# Altium PCB Kasli-DIOT.PCBDOC (part 14 of 21)
Units mm, origin at the board's own origin, x right, y up, seen from the top; angles counter-clockwise.
Board outline 222.34 x 100 mm, 10 copper layers (TopLayer, Layer 2, Layer 3, Layer 4, Layer 5, Layer 6, Layer 7, layer 8, Layer 9, BottomLayer), stack 1.564 mm thick; 974 components, 908 nets, 4662 pads, 2649 vias.
Unrouted connection lines stored in the file: 17.
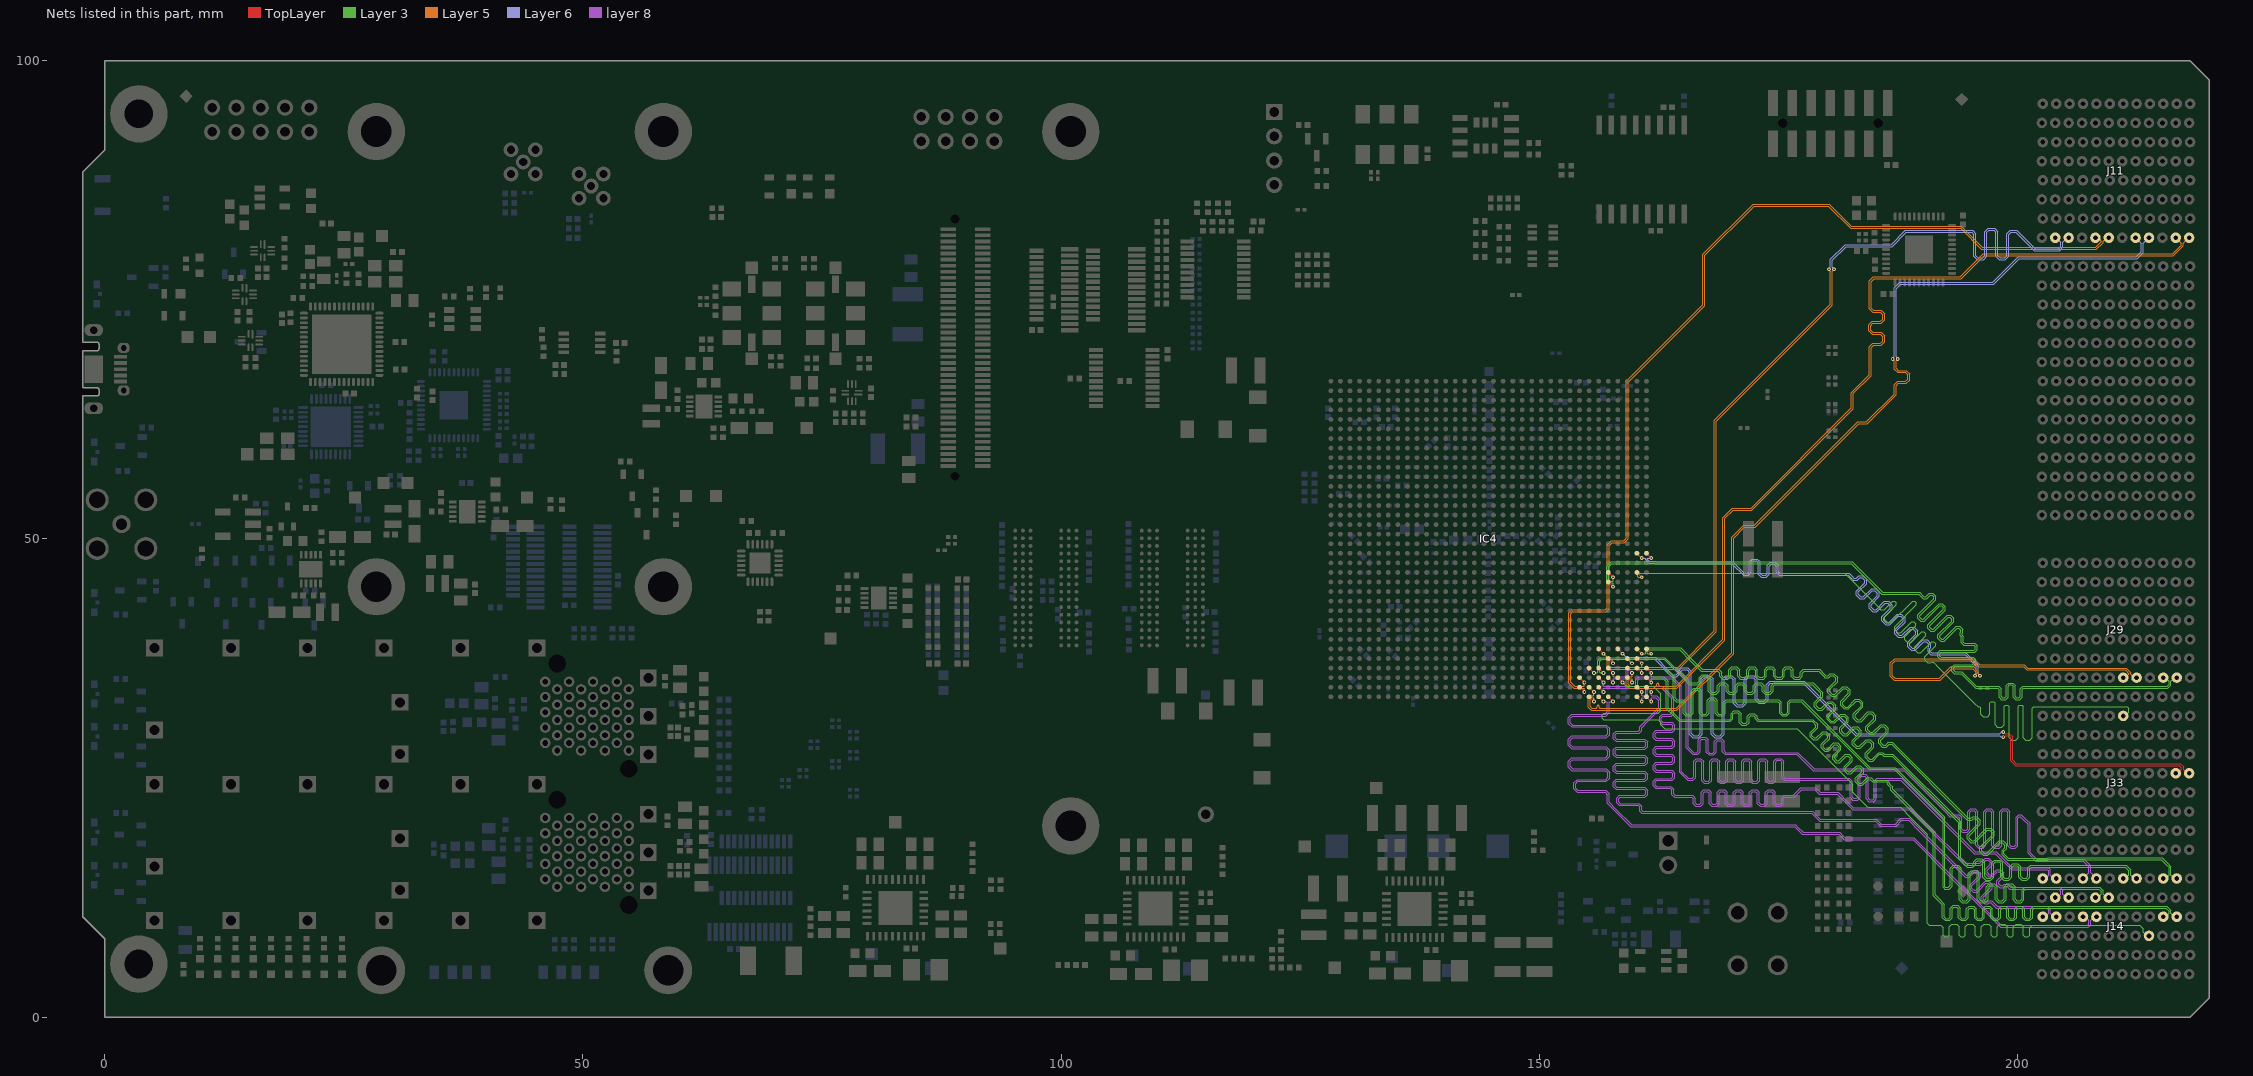
[diagram p22: the nets of this part, all layers, seen from the top]

## Via types
v1: diameter 0.4, hole 0.2, TopLayer to BottomLayer, tented both sides, 1661 vias
v2: diameter 0.5, hole 0.2, TopLayer to BottomLayer, tented both sides, 516 vias
v3: diameter 0.6, hole 0.3, TopLayer to BottomLayer, tented both sides, 175 vias
v4: diameter 0.6, hole 0.3, TopLayer to BottomLayer, 113 vias
v5: diameter 0.5, hole 0.2, TopLayer to BottomLayer, 110 vias
v6: diameter 0.4, hole 0.2, TopLayer to BottomLayer, 67 vias
v7: diameter 0.8, hole 0.5, TopLayer to BottomLayer, tented both sides, 7 vias

## Nets (pads, with @x,y where several pads share a name; then routed paths per layer and width w, separated by ;. In a path a pad name is that pad's centre, name@x,y a point inside that pad or via, vN(x,y) a via of type N, cw(c..) or ccw(c..) an arc to the next point about the centre after c; other vN are vias at no path point) (continued)
SLOT1.LVDS_1_P: IC4.AM31 J14.D3 | length 99.1
  TopLayer w0.095: IC4.AM31@158.2,35.5 v1(158.7,35)
  Layer 3 w0.075: v1(158.7,35) 159.08,34.62 161.899,34.62 162.685,33.835 162.685,33.079 162.685,32.03 162.408,31.752 156.725,31.752 156.565,31.593 156.565,31.274 156.725,31.115 162.408,31.115 162.685,30.838 162.685,30.657 162.685,30.568 163.118,30.135 176.968,30.135 182.754,24.349 182.754,23.5 184.31,21.944 187.777,21.944 188.854,20.867 190.576,19.145 190.576,9.802 190.776,9.602 190.984,9.602 191.942,9.602 192.219,9.324 192.219,8.576 192.379,8.416 192.697,8.416 192.856,8.576 192.856,9.464 193.134,9.741 193.62,9.741 193.897,9.464 193.897,8.576 194.057,8.416 194.375,8.416 194.534,8.576 194.534,9.464 194.812,9.741 195.298,9.741 195.575,9.464 195.575,8.576 195.735,8.416 196.053,8.416 196.212,8.576 196.212,9.464 196.49,9.741 196.976,9.741 197.253,9.464 197.253,8.576 197.413,8.416 197.731,8.416 197.89,8.576 197.89,9.464 198.168,9.741 198.654,9.741 198.931,9.464 198.931,8.576 199.091,8.416 199.409,8.416 199.568,8.576 199.568,9.464 199.846,9.741 200.332,9.741 200.609,9.464 200.609,8.576 200.769,8.416 201.087,8.416 201.246,8.576 201.246,9.324 201.524,9.602 201.704,9.602 212.789,9.602 213.14,9.251 213.14,8.861 213.501,8.5 J14.D3@213.739,8.5
SLOT1.LVDS_2_N: IC4.AM34 J14.C4 | length 98.6
  TopLayer w0.095: IC4.AM34@161.2,35.5 v1(161.7,35)
  Layer 3 w0.075: v1(161.7,35) 161.7,35.355 161.744,35.399 162.399,35.399 162.4,35.398 162.941,35.398 163.284,35.056 163.284,32.257 163.343,32.197 163.883,31.657 164.622,30.918 169.786,30.918 169.966,30.918 170.244,31.196 170.244,31.667 170.403,31.826 170.722,31.826 170.881,31.667 170.881,30.788 171.159,30.51 171.644,30.51 171.922,30.788 171.922,31.365 172.081,31.524 172.4,31.524 172.559,31.365 172.559,31.196 172.837,30.918 173.425,30.918 177.866,30.918 178.511,30.918 178.885,30.544 178.885,30.319 178.296,29.73 178.296,29.338 178.64,28.994 179.032,28.994 179.696,29.657 179.921,29.657 180.146,29.432 180.146,29.207 179.483,28.544 179.483,28.151 179.826,27.807 180.219,27.807 180.882,28.471 181.107,28.471 181.333,28.246 181.333,28.021 180.669,27.357 180.669,26.964 181.013,26.621 181.405,26.621 182.069,27.284 182.294,27.284 182.519,27.059 182.519,26.834 181.856,26.17 181.856,25.778 182.199,25.434 182.592,25.434 183.255,26.098 183.48,26.098 183.706,25.873 183.706,25.647 183.042,24.984 183.042,24.591 183.386,24.248 183.778,24.248 184.367,24.836 184.592,24.836 184.66,24.768 184.837,24.591 186.244,24.591 186.435,24.4 186.435,24.288 186.719,24.004 186.719,23.735 191.187,19.268 191.187,12.702 191.765,12.123 192.139,11.749 192.139,10.391 192.416,10.113 192.902,10.113 193.18,10.391 193.18,11.331 193.339,11.49 193.658,11.49 193.817,11.331 193.817,10.391 194.094,10.113 194.58,10.113 194.858,10.391 194.858,11.241 195.017,11.401 195.336,11.401 195.495,11.241 195.495,10.391 195.772,10.113 196.258,10.113 196.536,10.391 196.536,11.241 196.695,11.4 197.014,11.4 197.173,11.241 197.173,10.391 197.45,10.113 197.936,10.113 198.214,10.391 198.214,11.241 198.373,11.4 198.692,11.4 198.851,11.241 198.851,10.391 199.128,10.113 199.614,10.113 199.892,10.391 199.892,11.241 200.051,11.4 200.37,11.4 200.529,11.241 200.529,10.391 200.806,10.113 201.292,10.113 201.57,10.391 201.57,11.241 201.729,11.4 201.826,11.4 215.517,11.4 215.838,11.079 215.838,10.861 215.477,10.5 J14.C4@215.239,10.5
SLOT1.LVDS_2_P: IC4.AL34 J14.B4 | length 99
  TopLayer w0.095: IC4.AL34@161.2,36.5 v1(161.7,36)
  Layer 3 w0.075: v1(161.7,36) 161.7,35.645 161.744,35.601 162.482,35.601 162.483,35.6 163.025,35.6 163.486,35.139 163.486,32.34 164.706,31.12 169.786,31.12 169.883,31.12 170.042,31.279 170.042,31.75 170.32,32.028 170.805,32.028 171.083,31.75 171.083,30.872 171.242,30.712 171.561,30.712 171.72,30.872 171.72,31.448 171.998,31.726 172.483,31.726 172.761,31.448 172.761,31.279 172.92,31.12 173.425,31.12 178.068,31.12 178.594,31.12 179.087,30.628 179.087,30.235 178.498,29.646 178.498,29.421 178.723,29.196 178.949,29.196 179.612,29.859 180.005,29.859 180.348,29.516 180.348,29.123 179.685,28.46 179.685,28.235 179.91,28.009 180.135,28.009 180.799,28.673 181.191,28.673 181.535,28.329 181.535,27.937 180.871,27.273 180.871,27.048 181.096,26.823 181.322,26.823 181.985,27.486 182.378,27.486 182.721,27.143 182.721,26.75 182.058,26.087 182.058,25.862 182.283,25.636 182.508,25.636 183.172,26.3 183.564,26.3 183.908,25.956 183.908,25.564 183.244,24.9 183.244,24.675 183.469,24.45 183.695,24.45 184.283,25.038 184.676,25.038 184.803,24.911 184.921,24.793 186.328,24.793 186.637,24.484 186.637,24.372 186.921,24.088 186.921,23.819 191.389,19.351 191.389,12.785 191.765,12.409 192.341,11.833 192.341,10.474 192.5,10.315 192.819,10.315 192.978,10.474 192.978,11.414 193.255,11.692 193.741,11.692 194.019,11.414 194.019,10.474 194.178,10.315 194.497,10.315 194.656,10.474 194.656,11.325 194.933,11.603 195.419,11.603 195.697,11.325 195.697,10.474 195.856,10.315 196.175,10.315 196.334,10.474 196.334,11.324 196.611,11.602 197.097,11.602 197.375,11.324 197.375,10.474 197.534,10.315 197.853,10.315 198.012,10.474 198.012,11.324 198.289,11.602 198.775,11.602 199.053,11.324 199.053,10.474 199.212,10.315 199.531,10.315 199.69,10.474 199.69,11.324 199.967,11.602 200.453,11.602 200.731,11.324 200.731,10.474 200.89,10.315 201.209,10.315 201.368,10.474 201.368,11.324 201.645,11.602 201.826,11.602 215.601,11.602 216.04,11.163 216.04,10.861 216.401,10.5 J14.B4@216.639,10.5
SLOT1.LVDS_3_N: IC4.AP30 J14.I4 | length 97.3
  TopLayer w0.095: IC4.AP30@157.2,33.5 v1(157.7,33)
  layer 8 w0.075: v1(157.7,33) 157.345,33 157.301,32.956 157.301,32.333 157.301,31.832 156.948,31.48 153.478,31.48 153.244,31.245 153.244,30.777 153.478,30.543 157.015,30.543 157.368,30.19 157.368,29.554 157.015,29.202 153.478,29.202 153.244,28.967 153.244,28.499 153.478,28.265 157.015,28.265 157.368,27.912 157.368,27.276 157.015,26.924 153.478,26.924 153.244,26.689 153.244,26.221 153.478,25.987 157.015,25.987 157.368,25.634 157.368,24.998 157.015,24.646 154.035,24.646 153.801,24.411 153.801,23.943 154.035,23.709 156.948,23.709 157.301,23.356 157.301,23.176 157.301,22.453 157.954,21.8 159.636,20.117 176.786,20.117 176.988,19.915 177.581,19.322 181.392,19.322 181.722,18.992 181.968,18.747 189.153,18.747 193.07,14.83 196.5,11.4 198.3,9.6 207.325,9.6 207.438,9.713 207.438,10.151 207.088,10.5 J14.I4@206.839,10.5
SLOT1.LVDS_3_P: IC4.AP29 J14.H4 | length 98
  TopLayer w0.095: IC4.AP29@156.2,33.5 v1(156.7,33)
  layer 8 w0.075: v1(156.7,33) 157.055,33 157.099,32.956 157.099,32.333 157.099,31.916 156.865,31.682 153.395,31.682 153.042,31.329 153.042,30.693 153.395,30.341 156.932,30.341 157.166,30.106 157.166,29.638 156.932,29.404 153.395,29.404 153.042,29.051 153.042,28.415 153.395,28.063 156.932,28.063 157.166,27.828 157.166,27.36 156.932,27.126 153.395,27.126 153.042,26.773 153.042,26.137 153.395,25.785 156.932,25.785 157.166,25.55 157.166,25.082 156.932,24.848 153.951,24.848 153.599,24.495 153.599,23.859 153.951,23.507 156.865,23.507 157.099,23.272 157.099,23.176 157.099,22.369 157.739,21.729 159.493,19.975 159.552,19.915 176.702,19.915 177.498,19.12 181.309,19.12 181.508,18.921 181.884,18.545 189.069,18.545 192.868,14.746 196.286,11.329 198.216,9.398 207.409,9.398 207.64,9.629 207.64,10.151 207.989,10.5 J14.H4@208.239,10.5
SLOT1.LVDS_4_N: IC4.AP34 J14.L4 | length 97.8
  TopLayer w0.095: IC4.AP34@161.2,33.5 v1(161.7,33)
  layer 8 w0.075: v1(161.7,33) 161.7,33.355 161.744,33.399 162.172,33.399 162.498,33.073 162.498,32.359 161.073,30.934 160.498,30.359 160.498,30.05 160.339,29.89 158.02,29.89 157.743,29.613 157.743,29.127 158.02,28.849 160.947,28.849 161.106,28.69 161.106,28.372 160.947,28.212 158.02,28.212 157.743,27.935 157.743,27.449 158.02,27.171 160.947,27.171 161.106,27.012 161.106,26.694 160.947,26.534 158.02,26.534 157.743,26.257 157.743,25.771 158.02,25.493 160.947,25.493 161.106,25.334 161.106,25.016 160.947,24.856 158.02,24.856 157.743,24.579 157.743,24.093 158.02,23.815 160.947,23.815 161.106,23.656 161.106,23.338 160.947,23.178 158.365,23.178 158.087,22.901 158.087,22.415 158.365,22.137 160.339,22.137 160.498,21.978 160.498,21.881 160.498,21.535 160.721,21.312 178.495,21.312 178.684,21.123 179.297,20.511 185.117,20.511 185.378,20.251 185.652,19.977 187.288,19.977 187.887,20.576 188.604,20.576 189.628,19.552 194.425,14.755 194.493,14.687 194.552,14.628 194.945,14.628 195.49,15.173 195.715,15.173 195.94,14.948 195.94,14.722 195.02,13.802 195.02,13.41 195.364,13.066 195.757,13.066 196.677,13.986 196.902,13.986 197.127,13.761 197.127,13.536 196.207,12.616 196.207,12.223 196.551,11.88 196.943,11.88 197.009,11.946 197.234,11.946 197.304,11.876 197.373,11.807 197.78,11.4 203.05,11.4 203.238,11.212 203.238,10.849 202.888,10.5 J14.L4@202.639,10.5
SLOT1.LVDS_4_P: IC4.AN34 J14.K4 | length 98.2
  TopLayer w0.095: IC4.AN34@161.2,34.5 v1(161.7,34)
  layer 8 w0.075: v1(161.7,34) 161.7,33.645 161.744,33.601 162.256,33.601 162.7,33.157 162.7,32.275 161.346,30.921 160.7,30.275 160.7,29.966 160.422,29.688 158.104,29.688 157.945,29.529 157.945,29.211 158.104,29.051 161.03,29.051 161.308,28.774 161.308,28.288 161.03,28.01 158.104,28.01 157.945,27.851 157.945,27.533 158.104,27.373 161.03,27.373 161.308,27.096 161.308,26.61 161.03,26.332 158.104,26.332 157.945,26.173 157.945,25.855 158.104,25.695 161.03,25.695 161.308,25.418 161.308,24.932 161.03,24.654 158.104,24.654 157.945,24.495 157.945,24.177 158.104,24.017 161.03,24.017 161.308,23.74 161.308,23.254 161.03,22.976 158.449,22.976 158.289,22.817 158.289,22.499 158.449,22.339 160.422,22.339 160.7,22.062 160.7,21.881 160.7,21.619 160.805,21.514 178.579,21.514 178.97,21.123 179.38,20.713 185.201,20.713 185.664,20.251 185.735,20.179 187.205,20.179 187.804,20.778 188.687,20.778 189.628,19.838 194.567,14.898 194.636,14.83 194.861,14.83 195.406,15.375 195.799,15.375 196.142,15.031 196.142,14.639 195.222,13.719 195.222,13.494 195.448,13.268 195.673,13.268 196.593,14.188 196.985,14.188 197.329,13.845 197.329,13.452 196.409,12.532 196.409,12.307 196.634,12.082 196.859,12.082 196.925,12.148 197.318,12.148 197.447,12.018 197.515,11.95 197.863,11.602 203.134,11.602 203.44,11.296 203.44,10.849 203.789,10.5 J14.K4@204.039,10.5
SLOT1.LVDS_5_N: IC4.AL33 J14.H5 | length 96.3
  TopLayer w0.095: IC4.AL33@160.2,36.5 v1(160.7,36)
  Layer 3 w0.075: v1(160.7,36) 160.7,36.355 160.744,36.399 161.267,36.399 161.268,36.4 163.024,36.4 164.011,35.413 164.011,33.29 164.298,33.003 164.622,33.003 164.88,33.003 165.04,32.844 165.04,31.773 165.317,31.495 165.803,31.495 166.081,31.773 166.081,34.021 166.24,34.18 166.558,34.18 166.718,34.021 166.718,31.773 166.995,31.495 167.481,31.495 167.759,31.773 167.759,33.028 167.918,33.187 168.236,33.187 168.396,33.028 168.396,31.773 168.673,31.495 169.159,31.495 169.437,31.773 169.437,32.844 169.596,33.003 174.949,33.003 175.108,32.844 175.108,31.773 175.385,31.495 175.871,31.495 176.149,31.773 176.149,32.844 176.308,33.003 176.405,33.003 177.391,33.003 184.496,25.898 187.122,25.898 188.568,24.451 192.207,20.813 192.207,13.562 192.369,13.4 192.674,13.4 192.854,13.4 193.157,13.703 193.157,15.501 193.341,15.685 193.709,15.685 193.894,15.501 193.894,12.28 194.196,11.977 194.732,11.977 195.035,12.28 195.035,14.939 195.219,15.123 195.587,15.123 195.772,14.939 195.772,12.28 196.074,11.977 196.61,11.977 196.913,12.28 196.913,13.574 197.097,13.758 197.465,13.758 197.65,13.574 197.65,12.28 197.952,11.977 198.488,11.977 198.791,12.28 198.791,13.574 198.975,13.758 199.343,13.758 199.528,13.574 199.528,12.28 199.83,11.977 200.366,11.977 200.669,12.28 200.669,13.216 200.853,13.4 202.877,13.4 208.493,13.4 208.738,13.155 208.738,12.861 208.377,12.5 J14.H5@208.139,12.5
SLOT1.LVDS_5_P: IC4.AK33 J14.G5 | length 96.6
  TopLayer w0.095: IC4.AK33@160.2,37.5 v1(160.7,37)
  Layer 3 w0.075: v1(160.7,37) 160.7,36.645 160.744,36.601 161.183,36.601 161.184,36.602 163.108,36.602 164.213,35.496 164.213,33.374 164.382,33.205 164.622,33.205 164.964,33.205 165.242,32.927 165.242,31.856 165.401,31.697 165.719,31.697 165.879,31.856 165.879,34.105 166.156,34.382 166.642,34.382 166.92,34.105 166.92,31.856 167.079,31.697 167.397,31.697 167.557,31.856 167.557,33.111 167.834,33.389 168.32,33.389 168.598,33.111 168.598,31.856 168.757,31.697 169.075,31.697 169.235,31.856 169.235,32.927 169.512,33.205 175.032,33.205 175.31,32.927 175.31,31.856 175.469,31.697 175.788,31.697 175.947,31.856 175.947,32.927 176.224,33.205 176.405,33.205 177.475,33.205 184.58,26.1 187.205,26.1 188.854,24.451 192.409,20.896 192.409,13.646 192.453,13.602 192.674,13.602 192.77,13.602 192.955,13.786 192.955,15.584 193.257,15.887 193.793,15.887 194.096,15.584 194.096,12.363 194.28,12.179 194.648,12.179 194.833,12.363 194.833,15.022 195.135,15.325 195.671,15.325 195.974,15.022 195.974,12.363 196.158,12.179 196.526,12.179 196.711,12.363 196.711,13.658 197.013,13.96 197.549,13.96 197.852,13.658 197.852,12.363 198.036,12.179 198.404,12.179 198.589,12.363 198.589,13.658 198.891,13.96 199.427,13.96 199.73,13.658 199.73,12.363 199.914,12.179 200.282,12.179 200.467,12.363 200.467,13.299 200.769,13.602 202.877,13.602 208.577,13.602 208.94,13.239 208.94,12.861 209.301,12.5 J14.G5@209.539,12.5
SLOT1.LVDS_6_N: IC4.AP33 J14.K5 | length 96.6
  TopLayer w0.095: IC4.AP33@160.2,33.5 v1(160.7,33)
  layer 8 w0.075: v1(160.7,33) 160.7,33.355 160.744,33.399 161.1,33.399 161.302,33.601 161.302,34.2 161.502,34.4 162.78,34.4 163.357,33.822 163.844,33.336 163.844,33.119 163.844,31.824 163.685,31.665 162.839,31.665 162.561,31.387 162.561,30.902 162.839,30.624 163.803,30.624 163.963,30.465 163.963,30.146 163.803,29.987 162.182,29.987 161.904,29.709 161.904,29.224 162.182,28.946 163.803,28.946 163.963,28.787 163.963,28.468 163.803,28.309 162.182,28.309 161.904,28.031 161.904,27.546 162.182,27.268 163.803,27.268 163.963,27.109 163.963,26.79 163.803,26.631 162.182,26.631 161.904,26.353 161.904,25.868 162.182,25.59 163.803,25.59 163.963,25.431 163.963,25.112 163.803,24.953 162.182,24.953 161.904,24.675 161.904,24.19 162.182,23.912 163.685,23.912 163.844,23.753 163.844,23.656 163.844,23.273 164.135,22.982 165.764,22.982 165.928,22.982 166.088,22.823 166.088,22.325 166.365,22.047 166.851,22.047 167.129,22.325 167.129,23.431 167.288,23.59 167.606,23.59 167.766,23.431 167.766,22.325 168.043,22.047 168.529,22.047 168.807,22.325 168.807,23.431 168.966,23.59 169.284,23.59 169.444,23.431 169.444,22.325 169.721,22.047 170.207,22.047 170.485,22.325 170.485,23.431 170.644,23.59 170.962,23.59 171.122,23.431 171.122,22.325 171.399,22.047 171.885,22.047 172.163,22.325 172.163,23.431 172.322,23.59 172.64,23.59 172.8,23.431 172.8,22.325 173.077,22.047 173.563,22.047 173.841,22.325 173.841,23.431 174,23.59 174.318,23.59 174.478,23.431 174.478,22.325 174.755,22.047 175.241,22.047 175.519,22.325 175.519,22.823 175.678,22.982 175.774,22.982 176.635,22.982 177.435,23.782 178.784,23.782 179.065,23.5 179.267,23.298 181.151,23.298 181.968,22.482 182.74,21.71 188.655,21.71 190.185,20.179 194.487,15.878 195.76,15.878 195.873,15.878 196.153,15.878 196.692,16.417 196.918,16.417 197.143,16.192 197.143,15.967 196.62,15.444 196.62,15.052 196.963,14.708 197.356,14.708 197.879,15.231 198.104,15.231 198.329,15.006 198.329,14.78 197.806,14.258 197.806,13.865 198.15,13.521 198.542,13.521 198.698,13.677 198.923,13.677 198.991,13.609 199.2,13.4 204.325,13.4 204.538,13.187 204.538,12.849 204.188,12.5 J14.K5@203.939,12.5
SLOT1.LVDS_6_P: IC4.AN33 J14.J5 | length 97
  TopLayer w0.095: IC4.AN33@160.2,34.5 v1(160.7,34)
  layer 8 w0.075: v1(160.7,34) 160.7,33.645 160.744,33.601 161.016,33.601 161.1,33.685 161.1,34.284 161.418,34.602 162.863,34.602 163.643,33.822 164.046,33.419 164.046,33.119 164.046,31.741 163.769,31.463 162.922,31.463 162.763,31.304 162.763,30.985 162.922,30.826 163.887,30.826 164.165,30.548 164.165,30.063 163.887,29.785 162.265,29.785 162.106,29.626 162.106,29.307 162.265,29.148 163.887,29.148 164.165,28.87 164.165,28.385 163.887,28.107 162.265,28.107 162.106,27.948 162.106,27.629 162.265,27.47 163.887,27.47 164.165,27.192 164.165,26.707 163.887,26.429 162.265,26.429 162.106,26.27 162.106,25.951 162.265,25.792 163.887,25.792 164.165,25.514 164.165,25.029 163.887,24.751 162.265,24.751 162.106,24.592 162.106,24.273 162.265,24.114 163.769,24.114 164.046,23.836 164.046,23.656 164.046,23.356 164.218,23.184 165.764,23.184 166.012,23.184 166.29,22.907 166.29,22.409 166.449,22.249 166.767,22.249 166.927,22.409 166.927,23.515 167.204,23.792 167.69,23.792 167.968,23.515 167.968,22.409 168.127,22.249 168.445,22.249 168.605,22.409 168.605,23.515 168.882,23.792 169.368,23.792 169.646,23.515 169.646,22.409 169.805,22.249 170.123,22.249 170.283,22.409 170.283,23.515 170.56,23.792 171.046,23.792 171.324,23.515 171.324,22.409 171.483,22.249 171.801,22.249 171.961,22.409 171.961,23.515 172.238,23.792 172.724,23.792 173.002,23.515 173.002,22.409 173.161,22.249 173.479,22.249 173.639,22.409 173.639,23.515 173.916,23.792 174.402,23.792 174.68,23.515 174.68,22.409 174.839,22.249 175.157,22.249 175.317,22.409 175.317,22.907 175.594,23.184 175.774,23.184 176.551,23.184 177.351,23.984 178.867,23.984 179.351,23.5 181.235,23.5 182.253,22.482 182.823,21.912 188.738,21.912 190.471,20.179 194.57,16.08 195.844,16.08 195.956,16.08 196.069,16.08 196.609,16.619 197.001,16.619 197.345,16.276 197.345,15.883 196.822,15.36 196.822,15.135 197.047,14.91 197.272,14.91 197.795,15.433 198.188,15.433 198.531,15.089 198.531,14.697 198.008,14.174 198.008,13.949 198.234,13.723 198.459,13.723 198.614,13.879 199.007,13.879 199.066,13.82 199.134,13.751 199.284,13.602 204.409,13.602 204.74,13.271 204.74,12.849 205.089,12.5 J14.J5@205.339,12.5
SLOT1.LVDS_7_N: IC4.AJ34 J14.C6 | length 96.7
  TopLayer w0.095: IC4.AJ34@161.2,38.5 v1(161.7,38)
  Layer 3 w0.075: v1(161.7,38) 161.345,38 161.301,38.044 161.301,38.277 161.422,38.398 164.687,38.398 165.801,37.285 166.932,36.153 167.627,36.153 168.663,36.153 168.847,35.969 168.847,35.637 169.15,35.334 169.685,35.334 169.988,35.637 169.988,36.246 170.172,36.43 170.541,36.43 170.725,36.246 170.725,35.637 171.028,35.334 171.563,35.334 171.866,35.637 171.866,36.246 172.05,36.43 172.419,36.43 172.603,36.246 172.603,35.637 172.906,35.334 173.441,35.334 173.744,35.637 173.744,36.246 173.928,36.43 174.297,36.43 174.481,36.246 174.481,35.637 174.784,35.334 175.319,35.334 175.622,35.637 175.622,36.246 175.806,36.43 176.175,36.43 176.359,36.246 176.359,35.637 176.662,35.334 177.197,35.334 177.5,35.637 177.5,35.969 177.684,36.153 179.208,36.153 179.607,35.754 179.675,35.685 179.729,35.632 179.848,35.513 180.276,35.513 180.455,35.692 180.715,35.692 180.976,35.432 180.976,35.171 180.166,34.361 180.166,33.933 180.545,33.554 180.973,33.554 181.783,34.364 182.043,34.364 182.304,34.104 182.304,33.843 181.494,33.033 181.494,32.605 181.873,32.226 182.301,32.226 183.111,33.036 183.371,33.036 183.632,32.776 183.632,32.515 182.822,31.705 182.822,31.277 183.201,30.899 183.629,30.899 184.439,31.709 184.699,31.709 184.96,31.448 184.96,31.187 184.15,30.377 184.15,29.949 184.529,29.571 184.957,29.571 185.767,30.381 186.027,30.381 186.288,30.12 186.288,29.859 185.478,29.049 185.478,28.622 185.857,28.243 186.285,28.243 186.571,28.529 186.832,28.529 186.9,28.461 194.644,20.717 194.712,20.648 194.771,20.589 195.199,20.589 195.379,20.769 195.639,20.769 195.9,20.508 195.9,20.248 194.721,19.069 194.721,18.641 195.1,18.262 195.528,18.262 196.825,19.559 197.086,19.559 197.346,19.299 197.346,19.038 196.049,17.741 196.049,17.313 196.428,16.934 196.856,16.934 198.153,18.231 198.414,18.231 198.674,17.971 198.674,17.71 198.376,17.412 198.376,16.984 198.922,16.439 198.95,16.411 199.031,16.411 203.192,16.411 203.238,16.456 215.044,16.456 215.6,15.9 215.838,15.662 215.838,14.849 215.488,14.5 J14.C6@215.239,14.5
SLOT1.LVDS_7_P: IC4.AJ33 J14.B6 | length 97.4
  TopLayer w0.095: IC4.AJ33@160.2,38.5 v1(160.7,38)
  Layer 3 w0.075: v1(160.7,38) 161.055,38 161.099,38.044 161.099,38.36 161.339,38.6 164.771,38.6 166.086,37.285 167.016,36.355 167.627,36.355 168.746,36.355 169.049,36.052 169.049,35.721 169.233,35.536 169.602,35.536 169.786,35.721 169.786,36.329 170.089,36.632 170.624,36.632 170.927,36.329 170.927,35.721 171.111,35.536 171.48,35.536 171.664,35.721 171.664,36.329 171.967,36.632 172.502,36.632 172.805,36.329 172.805,35.721 172.989,35.536 173.358,35.536 173.542,35.721 173.542,36.329 173.845,36.632 174.38,36.632 174.683,36.329 174.683,35.721 174.867,35.536 175.236,35.536 175.42,35.721 175.42,36.329 175.723,36.632 176.258,36.632 176.561,36.329 176.561,35.721 176.745,35.536 177.114,35.536 177.298,35.721 177.298,36.052 177.601,36.355 179.208,36.355 179.291,36.355 179.75,35.897 179.818,35.828 179.931,35.715 180.192,35.715 180.371,35.894 180.799,35.894 181.178,35.515 181.178,35.088 180.368,34.278 180.368,34.017 180.629,33.756 180.889,33.756 181.699,34.566 182.127,34.566 182.506,34.188 182.506,33.76 181.696,32.95 181.696,32.689 181.957,32.428 182.217,32.428 183.027,33.238 183.455,33.238 183.834,32.86 183.834,32.432 183.024,31.622 183.024,31.361 183.285,31.101 183.545,31.101 184.355,31.911 184.783,31.911 185.162,31.532 185.162,31.104 184.352,30.294 184.352,30.033 184.612,29.773 184.873,29.773 185.683,30.583 186.111,30.583 186.49,30.204 186.49,29.776 185.68,28.966 185.68,28.705 185.94,28.445 186.201,28.445 186.487,28.731 186.915,28.731 187.043,28.604 194.787,20.86 194.855,20.791 195.116,20.791 195.295,20.971 195.723,20.971 196.102,20.592 196.102,20.164 194.923,18.985 194.923,18.724 195.184,18.464 195.444,18.464 196.741,19.761 197.169,19.761 197.548,19.382 197.548,18.954 196.251,17.657 196.251,17.396 196.511,17.136 196.772,17.136 198.069,18.433 198.497,18.433 198.876,18.054 198.876,17.626 198.578,17.329 198.578,17.068 199.006,16.641 199.034,16.613 199.233,16.613 203.108,16.613 203.154,16.658 215.128,16.658 215.6,16.186 216.04,15.746 216.04,14.849 216.389,14.5 J14.B6@216.639,14.5
SLOT1.LVDS_8_N: IC4.AL29 J14.F6 | length 98.1
  TopLayer w0.095: IC4.AL29@156.2,36.5 v1(156.7,36)
  Layer 3 w0.075: v1(156.7,36) 156.345,36 156.301,36.044 156.301,37.201 156.5,37.4 163.035,37.4 165.18,35.255 165.678,34.757 165.999,34.757 166.619,34.757 166.922,35.06 166.922,35.392 167.106,35.576 167.475,35.576 167.659,35.392 167.659,34.067 167.961,33.764 168.497,33.764 168.8,34.067 168.8,34.573 168.984,34.757 169.353,34.757 169.537,34.573 169.537,34.067 169.839,33.764 170.375,33.764 170.678,34.067 170.678,34.573 170.862,34.757 171.231,34.757 171.415,34.573 171.415,34.067 171.717,33.764 172.253,33.764 172.556,34.067 172.556,34.573 172.74,34.757 173.109,34.757 173.293,34.573 173.293,34.067 173.595,33.764 174.131,33.764 174.434,34.067 174.434,34.573 174.618,34.757 174.715,34.757 178.526,34.757 178.747,34.537 178.806,34.477 179.437,33.846 179.437,33.586 178.745,32.894 178.745,32.466 179.124,32.087 179.552,32.087 180.266,32.801 180.526,32.801 180.787,32.54 180.787,32.28 180.073,31.566 180.073,31.138 180.452,30.759 180.88,30.759 181.594,31.473 181.854,31.473 182.115,31.212 182.115,30.952 181.401,30.238 181.401,29.81 181.78,29.431 182.207,29.431 182.922,30.145 183.182,30.145 183.443,29.884 183.443,29.624 182.729,28.91 182.729,28.482 183.107,28.103 183.535,28.103 184.25,28.817 184.51,28.817 184.771,28.556 184.771,28.296 184.057,27.582 184.057,27.154 184.435,26.775 184.863,26.775 185.556,27.467 185.816,27.467 185.885,27.399 185.983,27.3 186.877,27.3 193.849,20.328 193.849,16.605 194.754,15.7 195.026,15.7 195.337,15.7 195.639,16.003 195.639,16.173 195.823,16.357 196.192,16.357 196.376,16.173 196.376,14.638 196.679,14.335 197.215,14.335 197.517,14.638 197.517,16.047 197.701,16.231 198.07,16.231 198.254,16.047 198.254,14.638 198.557,14.335 199.093,14.335 199.395,14.638 199.395,15.649 199.579,15.834 199.948,15.834 200.132,15.649 200.132,14.638 200.435,14.335 200.971,14.335 201.273,14.638 201.273,15.516 201.457,15.7 201.554,15.7 211.258,15.7 211.638,15.32 211.638,14.861 211.277,14.5 J14.F6@211.039,14.5
SLOT1.LVDS_8_P: IC4.AL28 J14.E6 | length 98.8
  TopLayer w0.095: IC4.AL28@155.2,36.5 v1(155.7,36)
  Layer 3 w0.075: v1(155.7,36) 156.055,36 156.099,36.044 156.099,37.285 156.416,37.602 163.119,37.602 165.18,35.541 165.761,34.959 165.999,34.959 166.536,34.959 166.72,35.144 166.72,35.475 167.022,35.778 167.558,35.778 167.861,35.475 167.861,34.15 168.045,33.966 168.414,33.966 168.598,34.15 168.598,34.657 168.9,34.959 169.436,34.959 169.739,34.657 169.739,34.15 169.923,33.966 170.292,33.966 170.476,34.15 170.476,34.657 170.778,34.959 171.314,34.959 171.617,34.657 171.617,34.15 171.801,33.966 172.17,33.966 172.354,34.15 172.354,34.657 172.656,34.959 173.192,34.959 173.495,34.657 173.495,34.15 173.679,33.966 174.048,33.966 174.232,34.15 174.232,34.657 174.534,34.959 174.715,34.959 178.61,34.959 178.89,34.679 179.639,33.93 179.639,33.502 178.947,32.81 178.947,32.549 179.207,32.289 179.468,32.289 180.182,33.003 180.61,33.003 180.989,32.624 180.989,32.196 180.275,31.482 180.275,31.221 180.535,30.961 180.796,30.961 181.51,31.675 181.938,31.675 182.317,31.296 182.317,30.868 181.603,30.154 181.603,29.893 181.863,29.633 182.124,29.633 182.838,30.347 183.266,30.347 183.645,29.968 183.645,29.54 182.931,28.826 182.931,28.565 183.191,28.305 183.452,28.305 184.166,29.019 184.594,29.019 184.973,28.64 184.973,28.212 184.259,27.498 184.259,27.238 184.519,26.977 184.78,26.977 185.472,27.669 185.9,27.669 186.027,27.542 186.067,27.502 186.961,27.502 194.051,20.412 194.051,16.688 194.838,15.902 195.026,15.902 195.253,15.902 195.437,16.086 195.437,16.256 195.74,16.559 196.276,16.559 196.578,16.256 196.578,14.722 196.762,14.537 197.131,14.537 197.315,14.722 197.315,16.131 197.618,16.433 198.154,16.433 198.456,16.131 198.456,14.722 198.64,14.537 199.009,14.537 199.193,14.722 199.193,15.733 199.496,16.036 200.032,16.036 200.334,15.733 200.334,14.722 200.518,14.537 200.887,14.537 201.071,14.722 201.071,15.599 201.374,15.902 201.554,15.902 211.342,15.902 211.84,15.404 211.84,14.861 212.201,14.5 J14.E6@212.439,14.5
SLOT1.LVDS_9_N: IC4.AM30 J14.I6 | length 97.4
  TopLayer w0.095: IC4.AM30@157.2,35.5 v1(157.7,35)
  layer 8 w0.075: v1(157.7,35) 157.7,35.355 157.744,35.399 159.035,35.399 159.302,35.666 159.302,36.252 159.45,36.4 164.207,36.4 164.829,35.778 165.377,35.229 165.377,28.147 166.054,27.47 166.365,27.47 166.545,27.47 166.823,27.748 166.823,28.917 166.982,29.076 167.301,29.076 167.46,28.917 167.46,27.69 167.738,27.412 168.223,27.412 168.501,27.69 168.501,28.746 168.66,28.905 168.979,28.905 169.138,28.746 169.138,27.748 169.416,27.47 170.322,27.47 176.916,27.47 178.091,26.295 178.636,25.75 188.141,25.75 192.377,21.514 192.919,20.972 193.07,20.972 193.802,20.972 193.962,20.812 193.962,19.633 194.239,19.356 194.725,19.356 195.003,19.633 195.003,21.42 195.162,21.58 195.48,21.58 195.64,21.42 195.64,17.955 195.917,17.678 196.403,17.678 196.681,17.955 196.681,21.42 196.84,21.58 197.158,21.58 197.318,21.42 197.318,17.937 197.595,17.659 198.081,17.659 198.359,17.937 198.359,21.42 198.518,21.58 198.836,21.58 198.996,21.42 198.996,17.936 199.273,17.658 199.759,17.658 200.037,17.936 200.037,20.812 200.196,20.972 200.293,20.972 200.617,20.647 201.098,20.166 201.098,17.116 201.914,16.3 206.875,16.3 207.438,15.737 207.438,15.099 J14.I6@206.839,14.5
SLOT1.LVDS_9_P: IC4.AL30 J14.H6 | length 97.7
  TopLayer w0.095: IC4.AL30@157.2,36.5 v1(157.7,36)
  layer 8 w0.075: v1(157.7,36) 157.7,35.645 157.744,35.601 158.951,35.601 159.1,35.75 159.1,36.336 159.366,36.602 164.29,36.602 164.829,36.063 165.579,35.313 165.579,28.23 166.138,27.672 166.365,27.672 166.462,27.672 166.621,27.831 166.621,29 166.899,29.278 167.384,29.278 167.662,29 167.662,27.774 167.821,27.614 168.14,27.614 168.299,27.774 168.299,28.83 168.577,29.107 169.062,29.107 169.34,28.83 169.34,27.831 169.499,27.672 170.322,27.672 177,27.672 178.091,26.58 178.72,25.952 188.225,25.952 192.377,21.8 193.003,21.174 193.07,21.174 193.886,21.174 194.164,20.896 194.164,19.717 194.323,19.558 194.641,19.558 194.801,19.717 194.801,21.504 195.078,21.782 195.564,21.782 195.842,21.504 195.842,18.039 196.001,17.88 196.319,17.88 196.479,18.039 196.479,21.504 196.756,21.782 197.242,21.782 197.52,21.504 197.52,18.02 197.679,17.861 197.997,17.861 198.157,18.02 198.157,21.504 198.434,21.782 198.92,21.782 199.198,21.504 199.198,18.019 199.357,17.86 199.675,17.86 199.835,18.019 199.835,20.896 200.112,21.174 200.293,21.174 200.376,21.174 200.903,20.647 201.3,20.25 201.3,17.2 201.998,16.502 206.959,16.502 207.64,15.821 207.64,15.099 J14.H6@208.239,14.5
SLOT1.LVDS_10_N: IC4.AN29 J14.L6 | length 96.3
  TopLayer w0.095: IC4.AN29@156.2,34.5 v1(156.7,34)
  layer 8 w0.075: v1(156.7,34) 156.7,34.355 156.744,34.399 160.109,34.399 160.302,34.592 160.302,35.225 160.475,35.398 163.817,35.398 164.413,34.802 164.657,34.558 164.657,25.593 165.496,24.754 165.868,24.754 166.049,24.754 166.326,25.032 166.326,26.676 166.485,26.835 166.804,26.835 166.963,26.676 166.963,24.742 167.241,24.464 167.727,24.464 168.004,24.742 168.004,26.676 168.163,26.835 168.482,26.835 168.641,26.676 168.641,24.743 168.919,24.465 169.405,24.465 169.682,24.743 169.682,26.676 169.841,26.836 170.16,26.836 170.319,26.676 170.319,24.743 170.597,24.465 171.083,24.465 171.36,24.743 171.36,26.677 171.519,26.836 171.838,26.836 171.997,26.677 171.997,24.743 172.275,24.466 172.761,24.466 173.038,24.743 173.038,26.677 173.197,26.837 173.516,26.837 173.675,26.677 173.675,24.744 173.953,24.466 174.439,24.466 174.716,24.744 174.716,26.678 174.875,26.837 175.194,26.837 175.353,26.678 175.353,25.032 175.631,24.754 177.343,24.754 181.884,24.754 182.341,24.754 182.5,24.595 182.5,22.983 182.778,22.706 183.264,22.706 183.541,22.983 183.541,25.014 183.701,25.173 184.019,25.173 184.178,25.014 184.178,22.82 184.456,22.542 184.942,22.542 185.219,22.82 185.219,24.595 185.379,24.754 185.475,24.754 187.806,24.754 189.358,23.203 195.478,17.082 197.682,17.082 199.364,15.4 203.175,15.4 203.238,15.337 203.238,14.849 202.888,14.5 J14.L6@202.639,14.5
SLOT1.LVDS_10_P: IC4.AM29 J14.K6 | length 96.7
  TopLayer w0.095: IC4.AM29@156.2,35.5 v1(156.7,35)
  layer 8 w0.075: v1(156.7,35) 156.7,34.645 156.744,34.601 160.025,34.601 160.1,34.676 160.1,35.309 160.391,35.6 163.9,35.6 164.698,34.802 164.859,34.641 164.859,25.677 165.579,24.956 165.868,24.956 165.965,24.956 166.124,25.115 166.124,26.759 166.402,27.037 166.888,27.037 167.165,26.759 167.165,24.826 167.324,24.666 167.643,24.666 167.802,24.826 167.802,26.76 168.08,27.037 168.566,27.037 168.843,26.76 168.843,24.826 169.002,24.667 169.321,24.667 169.48,24.826 169.48,26.76 169.758,27.038 170.244,27.038 170.521,26.76 170.521,24.827 170.68,24.667 170.999,24.667 171.158,24.827 171.158,26.761 171.436,27.038 171.922,27.038 172.199,26.761 172.199,24.827 172.358,24.668 172.677,24.668 172.836,24.827 172.836,26.761 173.114,27.039 173.6,27.039 173.877,26.761 173.877,24.828 174.036,24.668 174.355,24.668 174.514,24.828 174.514,26.761 174.792,27.039 175.278,27.039 175.555,26.761 175.555,25.115 175.714,24.956 177.343,24.956 181.884,24.956 182.425,24.956 182.702,24.678 182.702,23.067 182.862,22.908 183.18,22.908 183.339,23.067 183.339,25.097 183.617,25.375 184.103,25.375 184.38,25.097 184.38,22.903 184.54,22.744 184.858,22.744 185.017,22.903 185.017,24.678 185.295,24.956 185.475,24.956 187.89,24.956 189.644,23.203 195.562,17.284 197.766,17.284 199.448,15.602 203.259,15.602 203.44,15.421 203.44,14.849 203.789,14.5 J14.K6@204.039,14.5
SLOT1.LVDS_11_N: IC4.AM32 J11.B1 | length 98.9
  TopLayer w0.095: IC4.AM32@159.2,35.5 v1(159.7,35)
  Layer 5 w0.08: v1(159.7,35) 159.7,35.35 159.653,35.396 159.477,35.396 159.3,35.22 159.3,34.8 159.5,34.6 159.908,34.6 162.146,34.6 ccw(c162.146,34.715) 162.261,34.715 162.261,34.793 cw(c162.376,34.793) 162.376,34.908 cw(c162.376,34.793) 162.491,34.793 162.491,34.715 ccw(c162.606,34.715) 162.606,34.6 162.876,34.6 164.3,34.6 169.193,39.493 169.193,52.236 170.189,53.232 172.132,53.232 182.62,63.72 182.62,65.303 184.493,67.177 184.493,69.704 184.493,70.093 184.85,70.45 185.665,70.45 185.901,70.685 185.901,71.156 185.665,71.392 184.785,71.392 184.429,71.748 184.429,72.391 184.785,72.748 185.665,72.748 185.901,72.983 185.901,73.454 185.665,73.69 184.85,73.69 184.493,74.046 184.493,74.233 184.493,76.986 184.907,77.4 194.007,77.4 196.407,79.8 216.214,79.8 217.135,80.721 217.135,80.904 J11.B1@216.539,81.5
SLOT1.LVDS_11_P: IC4.AL32 J11.A1 | length 99.6
  TopLayer w0.095: IC4.AL32@159.2,36.5 v1(159.7,36)
  Layer 5 w0.08: v1(159.7,36) 159.7,35.65 159.653,35.603 159.391,35.603 159.093,35.306 159.093,34.714 159.414,34.393 164.386,34.393 169.4,39.407 169.4,52.15 170.275,53.025 172.218,53.025 182.827,63.634 182.827,65.217 184.7,67.091 184.7,69.704 184.7,70.007 184.935,70.243 185.751,70.243 186.108,70.599 186.108,71.242 185.751,71.599 184.871,71.599 184.636,71.834 184.636,72.305 184.871,72.541 185.751,72.541 186.108,72.897 186.108,73.54 185.751,73.897 184.935,73.897 184.7,74.132 184.7,74.233 184.7,76.9 184.993,77.193 194.093,77.193 196.493,79.593 216.3,79.593 217.342,80.635 217.342,80.904 J11.A1@217.939,81.5
SLOT1.LVDS_12_N: IC4.AP28 J11.E1 | length 97.7
  TopLayer w0.095: IC4.AP28@155.2,33.5 v1(155.7,33)
  Layer 5 w0.08: v1(155.7,33) 155.7,33.35 155.653,33.396 155.478,33.396 155.3,33.218 155.3,32.5 155.5,32.3 155.656,32.3 155.922,32.3 ccw(c155.922,32.415) 156.037,32.415 156.037,32.493 cw(c156.152,32.493) 156.152,32.608 cw(c156.152,32.493) 156.267,32.493 156.267,32.415 ccw(c156.382,32.415) 156.382,32.3 156.652,32.3 164.3,32.3 170.093,38.093 170.093,50.168 171.357,51.432 172.487,51.432 183.295,62.24 184.191,62.24 187.102,65.151 187.102,65.476 187.102,66.108 187.459,66.465 188.274,66.465 188.51,66.7 188.51,67.171 188.274,67.407 187.459,67.407 187.102,67.764 187.102,67.95 187.102,68.623 186.942,68.783 v1(186.942,68.83)
  Layer 6 w0.08: v1(186.942,68.83) 186.942,68.877 187.102,69.037 187.102,76.27 187.675,76.842 197.425,76.842 200.089,79.507 212.432,79.507 212.935,80.01 212.935,80.904 J11.E1@212.339,81.5
SLOT1.LVDS_12_P: IC4.AN28 J11.D1 | length 98.4
  TopLayer w0.095: IC4.AN28@155.2,34.5 v1(155.7,34)
  Layer 5 w0.08: v1(155.7,34) 155.7,33.65 155.653,33.603 155.393,33.603 155.093,33.304 155.093,32.414 155.414,32.093 164.386,32.093 170.3,38.007 170.3,50.082 171.443,51.225 172.573,51.225 183.38,62.033 184.276,62.033 187.309,65.066 187.309,65.476 187.309,66.022 187.544,66.258 188.36,66.258 188.717,66.615 188.717,67.257 188.36,67.614 187.544,67.614 187.309,67.849 187.309,67.95 187.309,68.623 187.469,68.783 v1(187.469,68.83)
  Layer 6 w0.08: v1(187.469,68.83) 187.469,68.877 187.309,69.037 187.309,76.184 187.76,76.635 197.51,76.635 200.175,79.3 212.517,79.3 213.142,79.925 213.142,80.904 J11.D1@213.739,81.5
SLOT1.LVDS_13_N: IC4.AN27 J11.H1 | length 103.1
  TopLayer w0.095: IC4.AN27@154.2,34.5 v1(154.7,34)
  Layer 5 w0.08: v1(154.7,34) 154.7,34.35 154.653,34.396 153.611,34.396 153.093,34.914 153.093,42.286 153.407,42.6 156.9,42.6 157.1,42.8 157.1,49.393 157.514,49.807 158.807,49.807 159.093,50.093 159.093,66.493 167.093,74.493 167.093,79.744 172.356,85.007 180.286,85.007 182.62,82.673 194.127,82.673 196.3,80.5 208.153,80.5 208.735,81.083 208.735,81.149 208.384,81.5 J11.H1@208.139,81.5
SLOT1.LVDS_13_P: IC4.AM27 J11.G1 | length 102.7
  TopLayer w0.095: IC4.AM27@154.2,35.5 v1(154.7,35)
  Layer 5 w0.08: v1(154.7,35) 154.7,34.65 154.653,34.603 153.697,34.603 153.3,35 153.3,42.2 153.493,42.393 156.986,42.393 157.307,42.714 157.307,49.307 157.6,49.6 158.893,49.6 159.3,50.007 159.3,66.407 167.3,74.407 167.3,79.659 172.441,84.8 180.2,84.8 182.534,82.466 194.041,82.466 196.214,80.293 208.238,80.293 208.942,80.997 208.942,81.149 209.293,81.5 J11.G1@209.539,81.5
SLOT1.LVDS_14_N: IC4.AK30 J11.K1 | length 97
  TopLayer w0.095: IC4.AK30@157.2,37.5 v1(157.7,37)
  Layer 5 w0.08: v1(157.7,37) 157.639,37.061 157.639,37.284 157.402,37.521 157.336,37.521 157.289,37.474 157.289,36.704 157.393,36.6 164.507,36.6 168.293,40.386 168.293,62.393 180.433,74.533 180.433,77.993 180.273,78.153 v1(180.273,78.2)
  Layer 6 w0.08: v1(180.273,78.2) 180.273,78.247 180.433,78.407 180.433,79.226 181.982,80.775 186.79,80.775 188.272,82.257 194.804,82.257 195.289,82.257 195.645,81.9 195.645,79.623 195.881,79.387 196.352,79.387 196.587,79.623 196.587,82.143 196.944,82.499 197.587,82.499 197.943,82.143 197.943,79.623 198.179,79.387 198.65,79.387 198.885,79.623 198.885,81.9 199.242,82.257 199.429,82.257 199.892,82.257 201.824,80.325 204.3,80.325 204.535,80.56 204.535,81.027 204.062,81.5 J11.K1@203.939,81.5
SLOT1.LVDS_14_P: IC4.AJ29 J11.J1 | length 97.6
  TopLayer w0.095: IC4.AJ29@156.2,38.5 v1(156.7,38)
  Layer 5 w0.08: v1(156.7,38) 157.082,37.618 157.082,36.618 157.307,36.393 164.593,36.393 168.5,40.3 168.5,62.307 180.64,74.447 180.64,77.993 180.8,78.153 v1(180.8,78.2)
  Layer 6 w0.08: v1(180.8,78.2) 180.8,78.247 180.64,78.407 180.64,79.14 182.068,80.568 186.876,80.568 188.358,82.05 194.804,82.05 195.203,82.05 195.438,81.815 195.438,79.537 195.795,79.18 196.438,79.18 196.794,79.537 196.794,82.057 197.03,82.292 197.501,82.292 197.736,82.057 197.736,79.537 198.093,79.18 198.736,79.18 199.092,79.537 199.092,81.815 199.328,82.05 199.429,82.05 199.807,82.05 201.739,80.118 204.386,80.118 204.742,80.475 204.742,81.027 205.215,81.5 J11.J1@205.339,81.5
SLOT1.LVDS_15_N: IC4.AK32 J33.B5 | length 100.1
  TopLayer w0.095: IC4.AK32@159.2,37.5 v1(159.7,37) ; v1(198.5,29.273) 198.556,29.273 198.708,29.425 199.061,29.425 199.278,29.208 199.278,26.808 199.786,26.3 216.923,26.3 217.128,26.095 217.128,25.857 216.771,25.5 J33.B5@216.539,25.5
  Layer 6 w0.08: v1(159.7,37) 159.414,37.286 159.414,37.352 159.461,37.399 162.064,37.399 163.239,36.225 163.239,36.221 163.647,35.814 163.874,35.587 164.378,35.587 164.735,35.943 164.735,36.073 164.971,36.308 165.442,36.308 165.677,36.073 165.677,29.596 166.034,29.239 166.676,29.239 167.033,29.596 167.033,35.278 167.269,35.513 167.74,35.513 167.975,35.278 167.975,29.596 168.332,29.239 168.974,29.239 169.331,29.596 169.331,35.278 169.567,35.513 170.038,35.513 170.273,35.278 170.273,32.832 170.63,32.475 171.272,32.475 171.629,32.832 171.629,35.278 171.865,35.513 172.336,35.513 172.571,35.278 172.571,33.182 172.928,32.825 173.57,32.825 173.927,33.182 173.927,34.665 174.163,34.9 174.263,34.9 177.606,34.9 183.073,29.433 198.103,29.433 198.11,29.426 ccw(c198.5,29.8) 198.45,29.262 198.459,29.273 v1(198.5,29.273)
SLOT1.LVDS_15_P: IC4.AJ31 J33.A5 | length 100.9
  TopLayer w0.095: IC4.AJ31@158.2,38.5 v1(158.7,38) ; v1(198.5,29.8) 198.556,29.8 198.708,29.647 199.152,29.647 199.5,29.3 199.5,26.9 199.878,26.522 217.015,26.522 217.35,26.187 217.35,25.857 217.707,25.5 J33.A5@217.939,25.5
  Layer 6 w0.08: v1(158.7,38) 159.094,37.606 162.15,37.606 163.446,36.31 163.446,36.307 163.647,36.106 163.959,35.794 164.293,35.794 164.528,36.029 164.528,36.158 164.885,36.515 165.527,36.515 165.884,36.158 165.884,29.681 166.12,29.446 166.591,29.446 166.826,29.681 166.826,35.363 167.183,35.72 167.825,35.72 168.182,35.363 168.182,29.681 168.418,29.446 168.889,29.446 169.124,29.681 169.124,35.363 169.481,35.72 170.123,35.72 170.48,35.363 170.48,32.917 170.716,32.682 171.187,32.682 171.422,32.917 171.422,35.363 171.779,35.72 172.421,35.72 172.778,35.363 172.778,33.268 173.014,33.032 173.485,33.032 173.72,33.268 173.72,34.75 174.077,35.107 174.263,35.107 177.692,35.107 183.159,29.64 198.103,29.64 198.11,29.647 cw(c198.5,29.273) 198.452,29.811 198.453,29.807 198.459,29.8 v1(198.5,29.8)
SLOT2.LVDS_0_N: IC4.AB30 J29.C2 | length 101.8
  TopLayer w0.095: IC4.AB30@157.2,45.5 v1(157.7,45)
  Layer 3 w0.075: v1(157.7,45) 157.7,45.355 157.656,45.399 157.3,45.399 157.069,45.63 157.069,47.17 157.501,47.602 182.698,47.602 185.879,44.421 189.745,44.421 190.15,44.016 190.218,43.948 190.408,43.948 190.788,44.328 191.145,44.328 191.453,44.02 191.453,43.663 189.772,41.981 189.772,41.791 189.962,41.601 190.151,41.601 191.786,43.236 192.143,43.236 192.452,42.928 192.452,42.571 190.817,40.936 190.817,40.746 191.007,40.556 191.196,40.556 192.641,42 192.998,42 193.306,41.692 193.306,41.335 191.862,39.891 191.862,39.701 192.052,39.511 192.242,39.511 193.588,40.857 193.945,40.857 194.253,40.549 194.253,40.192 194.209,40.147 194.209,39.957 194.319,39.847 194.319,39.529 194.319,39.318 194.319,39.222 194.453,39.087 195.521,39.087 195.774,38.835 195.774,38.399 195.521,38.146 192,38.146 191.866,38.012 191.866,37.744 192,37.609 195.352,37.609 195.605,37.357 195.605,36.921 195.352,36.668 193.478,36.668 193.344,36.534 193.344,36.266 193.478,36.131 194.169,36.131 194.706,35.594 195.685,34.615 197.094,34.615 198.014,34.615 198.266,34.362 198.266,33.541 198.4,33.407 198.669,33.407 198.803,33.541 198.803,34.682 199.056,34.935 199.492,34.935 199.744,34.682 199.744,33.541 199.878,33.407 200.147,33.407 200.281,33.541 200.281,34.362 200.534,34.615 202.142,34.615 215.641,34.615 215.838,34.812 215.838,35.139 215.477,35.5 J29.C2@215.239,35.5
SLOT2.LVDS_0_P: IC4.AA30 J29.B2 | length 101.5
  TopLayer w0.095: IC4.AA30@157.2,46.5 v1(157.7,46)
  Layer 3 w0.075: v1(157.7,46) 157.7,45.645 157.656,45.601 157.383,45.601 157.271,45.713 157.271,47.087 157.585,47.4 182.614,47.4 185.795,44.219 189.662,44.219 190.007,43.874 190.075,43.805 190.134,43.746 190.492,43.746 190.872,44.126 191.061,44.126 191.251,43.936 191.251,43.746 189.57,42.065 189.57,41.707 189.878,41.399 190.235,41.399 191.87,43.034 192.06,43.034 192.25,42.844 192.25,42.654 190.615,41.019 190.615,40.662 190.923,40.354 191.28,40.354 192.724,41.798 192.914,41.798 193.104,41.608 193.104,41.419 191.66,39.974 191.66,39.617 191.968,39.309 192.325,39.309 193.672,40.655 193.861,40.655 194.051,40.465 194.051,40.276 194.007,40.231 194.007,39.874 194.117,39.763 194.117,39.327 194.117,39.318 194.117,39.138 194.37,38.885 195.438,38.885 195.572,38.751 195.572,38.483 195.438,38.348 191.916,38.348 191.664,38.096 191.664,37.66 191.916,37.407 195.269,37.407 195.403,37.273 195.403,37.005 195.269,36.87 193.394,36.87 193.142,36.618 193.142,36.182 193.394,35.929 194.085,35.929 194.42,35.594 195.601,34.413 197.094,34.413 197.93,34.413 198.064,34.279 198.064,33.458 198.317,33.205 198.753,33.205 199.005,33.458 199.005,34.598 199.139,34.733 199.408,34.733 199.542,34.598 199.542,33.458 199.795,33.205 200.231,33.205 200.483,33.458 200.483,34.279 200.617,34.413 202.142,34.413 215.725,34.413 216.04,34.728 216.04,35.139 216.401,35.5 J29.B2@216.639,35.5
SLOT2.LVDS_1_N: IC4.W34 J29.F2 | length 99
  TopLayer w0.095: IC4.W34@161.2,48.5 v1(161.7,48)
  Layer 5 w0.08: 195.907,36.107 195.907,35.907 196.067,35.747 v1(196.067,35.7) ; 195.907,36.136 195.403,36.64 193.023,36.64 191.812,35.428 187.183,35.428 186.9,35.711 186.9,36.964 187.22,37.284 195.322,37.284 195.952,36.654 200.621,36.654 200.975,36.3 211.253,36.3 211.635,35.918 211.635,35.851 211.284,35.5 J29.F2@211.039,35.5
  Layer 6 w0.08: v1(161.7,48) 161.35,48 161.304,47.953 161.304,47.887 161.51,47.68 162.163,47.68 162.223,47.619 170.215,47.619 171.439,46.396 171.65,46.396 171.751,46.396 171.936,46.581 171.936,47.597 172.243,47.904 172.785,47.904 173.092,47.597 173.092,46.376 173.278,46.19 173.649,46.19 173.834,46.376 173.834,47.239 174.141,47.546 174.683,47.546 174.99,47.239 174.99,46.581 175.176,46.396 175.475,46.396 182.404,46.396 182.817,45.983 182.888,45.912 183.15,45.912 183.387,46.149 183.821,46.149 184.204,45.766 184.204,45.332 183.332,44.46 183.332,44.198 183.595,43.935 183.857,43.935 184.729,44.807 185.163,44.807 185.546,44.424 185.546,43.99 184.675,43.118 184.675,42.856 184.937,42.593 185.199,42.593 186.071,43.465 186.505,43.465 186.888,43.081 186.888,42.648 186.017,41.776 186.017,41.513 186.279,41.251 186.541,41.251 187.413,42.123 187.847,42.123 188.231,41.739 188.231,41.306 187.359,40.434 187.359,40.171 187.621,39.909 187.883,39.909 188.755,40.781 189.189,40.781 189.573,40.397 189.573,39.963 188.701,39.092 188.701,38.829 188.963,38.567 189.225,38.567 190.097,39.439 190.531,39.439 190.915,39.055 190.915,38.621 190.841,38.548 190.841,38.285 191.027,38.1 191.687,38.1 194.593,38.1 195.907,36.786 195.907,35.907 196.067,35.747 v1(196.067,35.7)
SLOT2.LVDS_1_P: IC4.W33 J29.E2 | length 99.7
  TopLayer w0.095: IC4.W33@160.2,48.5 v1(160.7,48)
  Layer 5 w0.08: v1(195.54,35.7) 195.54,35.747 195.7,35.907 195.7,36.05 ; 195.677,36.073 195.317,36.433 193.109,36.433 191.898,35.221 187.098,35.221 186.693,35.626 186.693,37.049 187.134,37.491 195.408,37.491 196.038,36.861 200.707,36.861 201.061,36.507 211.339,36.507 211.842,36.003 211.842,35.851 212.193,35.5 J29.E2@212.439,35.5
  Layer 6 w0.08: v1(160.7,48) 161.05,48 161.097,47.953 161.097,47.801 161.425,47.473 162.077,47.473 162.138,47.412 170.129,47.412 171.353,46.189 171.65,46.189 171.836,46.189 172.143,46.495 172.143,47.511 172.329,47.697 172.7,47.697 172.885,47.511 172.885,46.29 173.192,45.983 173.734,45.983 174.041,46.29 174.041,47.153 174.227,47.339 174.598,47.339 174.783,47.153 174.783,46.495 175.09,46.189 175.475,46.189 182.319,46.189 182.67,45.837 182.741,45.766 182.802,45.705 183.236,45.705 183.473,45.942 183.735,45.942 183.997,45.68 183.997,45.418 183.125,44.546 183.125,44.112 183.509,43.728 183.943,43.728 184.815,44.6 185.077,44.6 185.339,44.338 185.339,44.075 184.468,43.204 184.468,42.77 184.851,42.386 185.285,42.386 186.157,43.258 186.419,43.258 186.681,42.996 186.681,42.733 185.81,41.862 185.81,41.428 186.193,41.044 186.627,41.044 187.499,41.916 187.761,41.916 188.024,41.654 188.024,41.391 187.152,40.519 187.152,40.086 187.535,39.702 187.969,39.702 188.841,40.574 189.103,40.574 189.366,40.312 189.366,40.049 188.494,39.177 188.494,38.744 188.877,38.36 189.311,38.36 190.183,39.232 190.445,39.232 190.708,38.969 190.708,38.707 190.634,38.634 190.634,38.2 190.941,37.893 191.48,37.893 194.507,37.893 195.7,36.7 195.7,35.907 195.54,35.747 v1(195.54,35.7)
SLOT2.LVDS_2_N: IC4.AA33 J33.F8 | length 101
  TopLayer w0.095: IC4.AA33@160.2,46.5 v1(160.7,46)
  Layer 3 w0.075: v1(160.7,46) 160.345,46 160.301,46.044 160.301,46.321 160.388,46.409 181.906,46.409 185.574,42.74 185.702,42.612 186.059,42.612 186.952,43.505 187.142,43.505 187.332,43.315 187.332,43.126 186.097,41.891 186.097,41.533 186.405,41.225 186.762,41.225 189.042,43.505 189.232,43.505 189.422,43.315 189.422,43.126 187.142,40.845 187.142,40.488 187.45,40.18 187.807,40.18 188.949,41.322 189.139,41.322 189.329,41.132 189.329,40.942 188.187,39.8 188.187,39.443 188.495,39.135 188.853,39.135 189.994,40.277 190.184,40.277 190.374,40.087 190.374,39.897 189.232,38.755 189.232,38.398 189.54,38.09 189.898,38.09 191.039,39.232 191.229,39.232 191.419,39.042 191.419,38.852 190.277,37.71 190.277,37.353 190.586,37.045 190.943,37.045 191.011,37.113 191.201,37.113 191.426,36.889 191.494,36.82 195.47,32.844 195.863,32.452 196.034,32.452 196.168,32.317 196.168,31.655 196.421,31.403 196.857,31.403 197.109,31.655 197.109,32.866 197.244,33 197.512,33 197.646,32.866 197.646,30.59 197.899,30.337 198.335,30.337 198.587,30.59 198.587,32.494 198.722,32.628 198.99,32.628 199.124,32.494 199.124,29.23 199.377,28.977 199.813,28.977 200.065,29.23 200.065,32.494 200.2,32.628 200.468,32.628 200.602,32.494 200.602,29.23 200.855,28.977 201.291,28.977 201.543,29.23 201.543,32.317 201.678,32.452 201.774,32.452 211.47,32.452 211.638,32.284 211.638,31.861 211.277,31.5 J33.F8@211.039,31.5